# Altium PCB PCB_monitoring_MOTHB.PcbDoc (part 2 of 2)
Units mm, origin at the board's own origin, x right, y up, seen from the top; angles counter-clockwise.
Board outline 185 x 75 mm, 2 copper layers (Top Layer, Bottom Layer), stack 1.571 mm thick; 166 components, 133 nets, 595 pads, 43 vias.
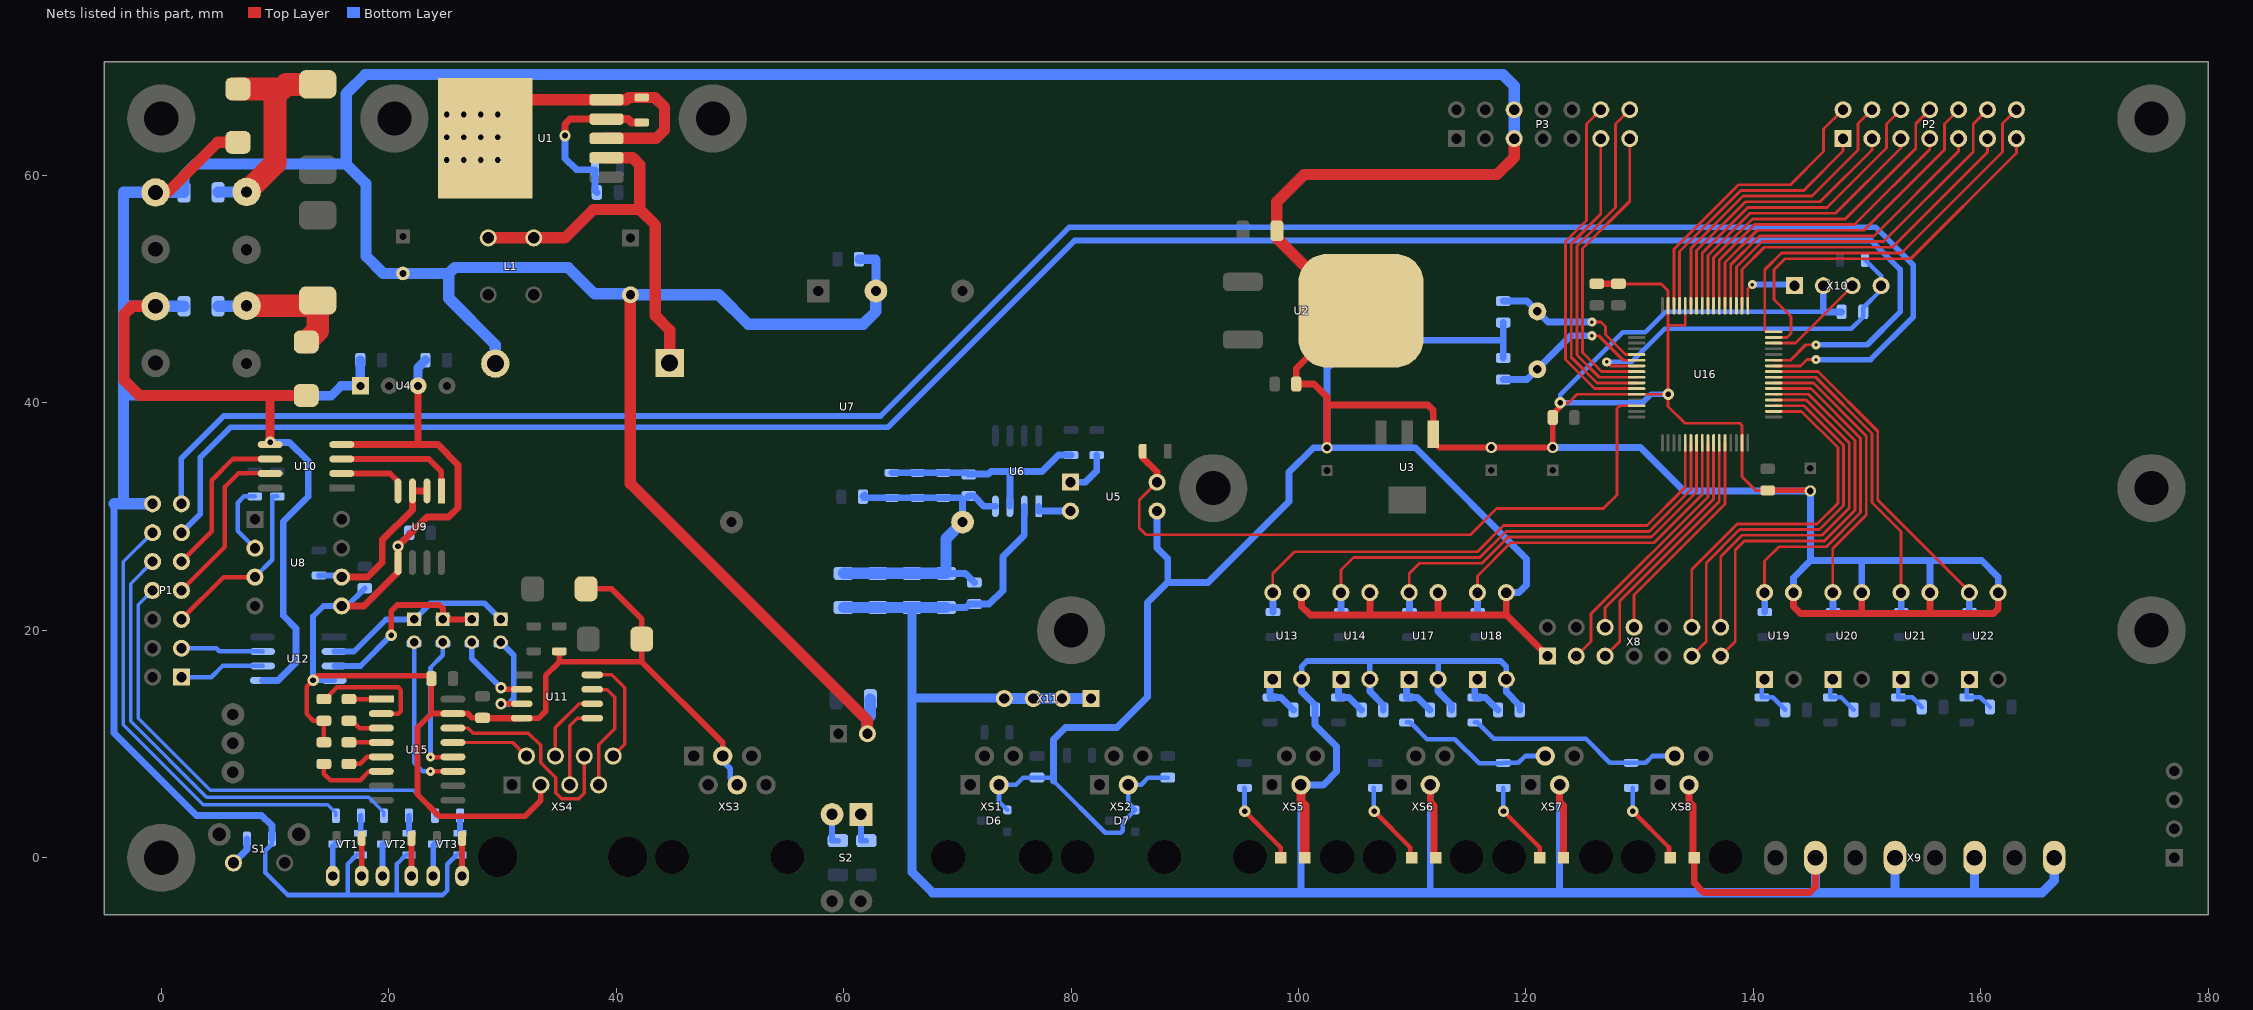
[diagram p2: the nets of this part, all layers, seen from the top]

## Via types
v1: diameter 1, hole 0.5, Top Layer to Bottom Layer, 34 vias
v2: diameter 0.8, hole 0.3, Top Layer to Bottom Layer, 8 vias
v3: diameter 2, hole 1, Top Layer to Bottom Layer, 1 vias

## Nets (pads, with @x,y where several pads share a name; then routed paths per layer and width w, separated by ;. In a path a pad name is that pad's centre, name@x,y a point inside that pad or via, vN(x,y) a via of type N, cw(c..) or ccw(c..) an arc to the next point about the centre after c; other vN are vias at no path point) (continued)
DI3: R36.2 R37.2 XS7.2 | length 13.9
  Bottom Layer w0.4: R36.2@109.5,11.9 109.825,11.9 111.3,10.425 113.75,10.425 115.875,8.3 117.95,8.3 R37.2@118,8.35 119.325,8.35 119.92,8.945 XS7.2@121.69,8.945
DI4: R39.2 R40.2 XS8.2 | length 19.3
  Bottom Layer w0.4: R39.2@115.5,11.9 115.725,11.9 117.175,10.45 125.275,10.45 127.375,8.35 R40.2@129.25,8.35 130.525,8.35 131.12,8.945 XS8.2@133.065,8.945
FA: U11.8 XS4.8 | length 9.7
  Top Layer w0.3: U11.8@37.9,16.08 39.62,16.08 40.75,14.95 40.75,9.965 XS4.8@39.73,8.945
FB\: U11.7 XS4.7 | length 10.6
  Top Layer w0.3: U11.7@37.9,14.81 37.935,14.775 39.2,14.775 39.875,14.1 39.875,11.35 38.46,9.935 XS4.7@38.46,6.405
FY: U11.5 XS4.5 | length 7.4
  Top Layer w0.3: XS4.5@35.92,6.405 35.92,11.595 36.595,12.27 U11.5@37.9,12.27
FZ\: U11.6 XS4.4 | length 6.6
  Top Layer w0.3: XS4.4@34.65,8.945 34.65,11.45 36.74,13.54 U11.6@37.9,13.54
GND: C1.1 C3.2 C4.2 C5.1 C6.1 C7.1 C8.1 C9.2 C10.2 C12.2 C14.1 C17.2 C19.2 C31.1 C32.1 C36.2 C38.2 C39.2 C40.2 C41.2 C42.2 C43.2 D2.1 D4.1 D5.1 D6.1 D7.1 P1.14 P3.5 P3.6 R2.1 R26.2 U1.3 U1.5 U1.6 U2.3 U3.1 U4.1 U5.3 U7.2 U10.5 U12.5 U13.3 U14.3 U16.12 U16.31 U16.60 U16.63 U17.3 U18.3 U19.3 U20.3 U21.3 U22.3 VT1.2 VT2.2 VT3.2 X1.1 X2.1 X8.1 X10.2 X12.2 XS1.3 XS2.3 | length 891
  Top Layer w0.25: v1(123,40) 123.733,40 124.483,40.75 U16.12@129.725,40.75 v1(132.5,40.75) ; C38.2@128.125,50.475 128.15,50.45 131.9,50.45 132.5,49.85 U16.63@132.5,48.525 132.5,46.825 ; U16.60@134,48.525 134,46.825 132.5,46.825 ; C40.2@141.25,32.3 140.2,32.3 139,33.5 U16.31@139,36.475 139,38.012 138.812,38.2 133.975,38.2 132.5,39.675 v1(132.5,40.75) ; C39.2@144.95,32.3 C39.2@145,32.25 ; v1(132.5,40.75) 132.5,46.825
  Top Layer w0.5: U3.1@111.85,37.25 111.85,36.6 112.375,36.075 C9.2@116.95,36.075 C43.2@122.35,36.075 C42.2@122.35,38.7 122.35,39 123,39.65 v1(123,40) ; C40.2@141.25,32.3 C39.2@144.95,32.3
  Top Layer w0.6: 9.55,40.65 9.575,40.625 ; U13.3@100.27,23.31 100.27,22.105 101.035,21.34 106.225,21.34 ; C10.2@102.5,36.05 102.5,39.8 ; U2.3@105.494,48.1 104.875,48.1 99.8,43.025 C8.1@99.8,41.65 101.35,41.65 102.5,40.5 102.5,39.8 ; U14.3@106.27,23.31 106.27,21.385 106.225,21.34 ; U3.1@111.85,37.25 111.85,39.325 111.375,39.8 102.5,39.8 ; U17.3@112.27,23.31 112.27,21.345 112.275,21.34 ; U18.3@118.27,23.31 118.27,21.34 ; X8.1@121.88,17.73 118.27,21.34 ; C41.2@126.225,50.475 C38.2@128.125,50.475 ; U19.3@143.52,23.31 143.52,22.08 144.125,21.475 149.5,21.475 ; U20.3@149.52,23.31 149.52,21.495 149.5,21.475 ; U21.3@155.52,23.31 155.52,21.495 155.5,21.475 ; U22.3@161.52,23.31 161.52,21.87 161.125,21.475 155.5,21.475 ; 106.225,21.34 112.275,21.34 ; 112.275,21.34 118.27,21.34 ; 149.5,21.475 155.5,21.475
  Top Layer w0.8: v1(9.575,36.525) 9.575,40.625
  Top Layer w1: X2.1@-0.5,48.5 -2.55,48.5 -3.275,47.775 -3.275,42 -1.925,40.65 9.55,40.65 D4.1@12.75,40.65 ; X1.1@-0.5,58.5 0.55,58.5 4.95,62.9 D2.1@6.75,62.9 ; U1.6@28.475,63.25 31.875,66.65 U1.5@39.15,66.65 40.9,66.65 41.1,66.85 R2.1@42.25,66.85 43.4,66.85 44.25,66 44.25,64 43.5,63.25 U1.3@39.15,63.25 ; C4.2@41.25,49.5 41.25,32.9 62.09,12.06 X12.2@62.09,10.9 ; U2.3@105.494,48.1 104.475,48.1 98.1,54.475 C7.1@98.1,55.125 98.1,57.675 100.5,60.075 117.45,60.075 118.96,61.585 P3.5@118.96,63.23
  Bottom Layer w0.4: R26.2@9.725,1.65 9.725,1.2 9.15,0.625 9.15,-1.3 11.125,-3.275 16.4,-3.275 ; VT1.2@17.525,0.25 17.2,0.25 16.4,-0.55 16.4,-3.275 ; VT2.2@21.775,0.25 21.525,0.25 20.725,-0.55 20.725,-3.275 ; VT3.2@26.275,0.25 25.975,0.25 25.15,-0.575 25.15,-2.875 24.75,-3.275 20.725,-3.275 ; D6.1@74.395,4.2 73.66,4.935 XS1.3@73.66,6.405 75.155,6.405 75.8,7.05 C17.2@77,7.05 78.15,7.05 78.45,6.75 83,2.2 84.375,2.2 84.55,2.375 84.55,3.105 D7.1@85.645,4.2 85.025,4.82 85.025,6.395 XS2.3@85.035,6.405 86.155,6.405 86.8,7.05 C19.2@88.5,7.05 ; v1(123,40) 123,40.702 128.498,46.2 130.5,46.2 132.3,48 146.14,48 ; 16.4,-3.275 20.725,-3.275
  Bottom Layer w0.5: v1(123,40) 130.25,40 131,40.75 v1(132.5,40.75)
  Bottom Layer w0.6: -4.15,31.12 -4.15,10.975 3.1,3.725 8.825,3.725 9.725,2.825 R26.2@9.725,1.65 ; U12.5@8.9,15.595 10.27,15.595 11.85,17.175 11.85,20.175 10.725,21.3 10.725,29.55 12.925,31.75 12.925,34.875 11.275,36.525 v1(9.575,36.525) ; 78.45,6.75 78.45,10.4 79.5,11.45 84.05,11.45 86.725,14.125 86.725,22.431 88.494,24.2 ; U5.3@87.56,30.48 87.56,27.24 88.494,26.306 88.494,24.2 ; C32.1@118,43.95 118,45.5 ; C31.1@118,47.05 118,45.5 ; U18.3@118.27,23.31 119.385,23.31 120.05,23.975 120.05,26.275 110.275,36.05 C10.2@102.5,36.05 ; C43.2@122.35,36.075 130.05,36.075 133.875,32.25 C39.2@145,32.25 145.025,32.225 145.025,26.125 ; U19.3@143.52,23.31 143.52,24.62 145.025,26.125 ; X10.2@146.14,50.3 146.14,48 C36.2@147.75,48 ; U20.3@149.52,23.31 149.52,26.12 149.525,26.125 ; U21.3@155.52,23.31 155.52,26.12 155.525,26.125 ; U22.3@161.52,23.31 161.52,24.68 160.075,26.125 155.525,26.125 ; 88.494,24.2 92.05,24.2 99.175,31.325 99.175,33.925 101.3,36.05 C10.2@102.5,36.05 ; C10.2@102.5,36.05 102.5,43 105,45.5 118,45.5 ; 145.025,26.125 149.525,26.125 ; 149.525,26.125 155.525,26.125
  Bottom Layer w0.8: -3.325,40.625 14.937,40.625 15.812,41.5 U4.1@17.5,41.5 C12.2@17.5,43.75 ; C14.1@61.35,52.625 62.787,52.625 62.84,52.572 U7.2@62.84,49.835
  Bottom Layer w1: -4.15,31.12 P1.14@-0.77,31.12 ; -3.325,31.12 -3.325,40.625 -3.325,48.5 ; C6.1@2,48.5 X2.1@-0.5,48.5 -3.325,48.5 ; D5.1@29.38,43.45 29.38,45.095 25.275,49.2 25.275,51.375 ; C4.2@41.175,49.575 38.1,49.575 35.775,51.9 25.8,51.9 25.275,51.375 ; C4.2@41.25,49.5 49.025,49.5 51.6,46.925 61.725,46.925 62.84,48.04 U7.2@62.84,49.835 ; X12.2@62.09,10.9 62.09,12.215 62.35,12.475 C5.1@62.35,13.925 ; P3.5@118.96,63.23 P3.6@118.96,65.77 118.96,67.865 117.95,68.875 17.95,68.875 16.25,67.175 16.25,61 ; -3.325,48.5 -3.325,58.5 X1.1@-0.5,58.5 2,58.5 2,59.988 3.012,61 16.25,61 ; 16.25,61 18,59.25 18,52.9 19.525,51.375 C3.2@21.25,51.375 25.275,51.375
  other v1: 25.1,61.35 26.6,61.35 28.1,61.35 29.6,61.35 25.1,63.35 26.6,63.35 28.1,63.35 29.6,63.35 25.1,65.35 26.6,65.35 28.1,65.35 29.6,65.35
GND_BUS: C11.2 C18.2 C20.1 C22.1 C25.1 C28.1 C29.1 D8.1 D9.2 R16.2 U4.3 U8.5 U9.5 U10.4 U11.4 U12.4 U15.15 XS3.3 XS3.4 XS4.3 | length 141.6
  Top Layer w0.4: v1(13.35,15.595) 12.775,15.02 12.775,12.65 13.375,12.05 C25.1@14.3,12.05 C29.1@14.3,10.15
  Top Layer w0.5: v1(13.35,15.595) 13.755,16 23.5,16 C28.1@23.75,15.75 23.75,12.675 ; C22.1@28.25,12.3 27.325,12.3 26.95,12.675 U15.15@25.65,12.675 23.75,12.675 ; U11.4@31.7,12.27 31.705,12.275 33.2,12.275 33.8,12.875 33.8,16.025 35,17.225 ; XS4.3@33.38,6.405 33.38,5.055 31.975,3.65 24.45,3.65 22.525,5.575 22.525,11.45 23.75,12.675 ; R16.2@35,18.15 35,17.225 ; D8.1@37.35,23.65 39.6,23.65 42.25,21 D9.2@42.25,19.225 42.25,17.225 ; XS3.3@49.365,8.945 49.365,10.11 42.25,17.225 ; 35,17.225 42.25,17.225
  Top Layer w0.6: U8.5@15.86,22.14 17.84,22.14 20.82,25.12 U9.5@20.82,25.95 v1(20.82,27.395) 23.375,29.95 25.275,29.95 26.1,30.775 26.1,34.55 24.32,36.33 22.58,36.33 ; U10.4@15.875,36.33 22.58,36.33 ; U4.3@22.58,41.5 22.58,36.33 ; C22.1@28.25,12.3 28.28,12.27 U11.4@31.7,12.27
  Bottom Layer w0.5: U12.4@15.2,15.595 v1(13.35,15.595) 13.35,21.225 14.265,22.14 U8.5@15.86,22.14 16.34,22.14 C18.2@17.9,23.7 ; XS3.3@49.365,8.945 49.365,8.51 50.025,7.85 50.025,7.015 XS3.4@50.635,6.405
  Bottom Layer w0.6: v1(20.82,27.395) 21.8,28.375 C20.1@21.8,28.575
  Bottom Layer w0.8: U4.3@22.58,41.5 22.58,43.105 C11.2@23.225,43.75
GND_EXT: C15.2 C21.2 C23.2 C27.2 C30.2 DS4.2 DS5.2 DS6.2 DS7.2 R6.2 R7.2 R11.2 R12.2 U6.2 U13.2 U14.2 U17.2 U18.2 X9.2 X9.4 X9.6 X9.8 X11.1 X11.2 X11.3 X11.4 XS5.3 XS6.3 XS7.3 XS8.3 | length 291.6
  Top Layer w0.6: XS6.3@111.585,6.405 111.585,4.94 111.925,4.6 DS5.2@111.925,0 ; XS7.3@122.96,6.405 122.96,4.94 123.3,4.6 DS6.2@123.3,0 ; XS8.3@134.335,6.405 134.335,4.94 134.675,4.6 DS7.2@134.675,0 ; DS7.2@134.8,0 134.8,-2.225 135.625,-3.05 144.95,-3.05 145.45,-2.55 X9.2@145.45,0
  Top Layer w0.8: XS5.3@100.21,6.405 100.21,4.94 100.55,4.6 DS4.2@100.55,0 ; DS5.2@112.025,-0.025 DS5.2@112.05,0
  Bottom Layer w0.5: U13.2@100.27,15.69 100.27,16.82 100.75,17.3 106.275,17.3 ; U14.2@106.27,15.69 106.275,15.695 106.275,17.3 ; U17.2@112.27,15.69 112.275,15.695 112.275,17.3 ; U18.2@118.27,15.69 118.27,16.805 117.775,17.3 112.275,17.3 ; 106.275,17.3 112.275,17.3
  Bottom Layer w0.6: R12.2@69,22 70.75,22 71.05,22.3 C15.2@71.5,22.3 72.8,22.3 74,23.5 74,26.5 75.885,28.385 U6.2@75.885,30.9 ; 100.21,-3.06 XS5.3@100.21,6.405 102.18,6.405 103.35,7.575 103.35,9.775 101.45,11.675 C21.2@101.45,13 101.45,13.45 100.27,14.63 U13.2@100.27,15.69 ; U14.2@106.27,15.69 106.27,14.63 107.45,13.45 C23.2@107.45,13 ; 111.585,-3.06 XS6.3@111.585,6.405 ; U17.2@112.27,15.69 112.27,14.605 113.45,13.425 C27.2@113.45,13 ; U18.2@118.27,15.69 118.27,14.58 119.45,13.4 C30.2@119.45,13 ; 122.96,-3.06 XS7.3@122.96,6.405
  Bottom Layer w0.8: R11.2@66,22 66,14.05 ; X11.4@74.08,14.05 66,14.05 ; X11.1@81.75,14 X11.1@81.775,13.975 ; 145.45,-3.05 X9.2@145.45,0 ; 152.45,-3.05 X9.4@152.45,0 ; X9.6@159.45,0 159.45,-3.05 159.475,-3.075 ; X9.8@166.45,0 166.45,-2 165.375,-3.075 159.475,-3.075 ; 66,14.05 66,-1.25 67.825,-3.075 159.475,-3.075
  Bottom Layer w1: R6.2@60,22 R7.2@63,22 R11.2@66,22 R12.2@69,22 ; X11.4@74.13,14 X11.3@76.67,14 X11.2@79.21,14 X11.1@81.75,14
GND_OD: C13.1 C15.1 C16.1 R6.1 R7.1 R8.1 R9.1 R10.1 R11.1 R12.1 U6.4 U7.4 | length 31
  Bottom Layer w0.6: C16.1@61.85,31.9 C16.1@61.7,31.75 61.8,31.65 R8.1@64.25,31.65 R9.1@66.5,31.65 R10.1@68.75,31.65 70.35,31.65 70.46,31.54 U7.4@70.46,29.515 ; R12.1@69,25 70.7,25 C15.1@71.5,24.2 ; C13.1@70.85,31.65 C13.1@71,31.8 71.45,31.8 72.35,30.9 U6.4@73.345,30.9
  Bottom Layer w1: R6.1@60,25 R7.1@63,25 R11.1@66,25 R12.1@69,25 69,28.055 U7.4@70.46,29.515
IN_D1: R29.2 U13.4 U16.21 | length 46.7
  Top Layer w0.25: U13.4@97.73,23.31 97.73,24.98 99.65,26.9 115.729,26.9 118.029,29.2 130.629,29.2 134,32.571 U16.21@134,36.475
  Bottom Layer w0.6: U13.4@97.73,23.31 97.75,23.29 R29.2@97.75,21.6
IN_D2: R32.2 U14.4 U16.22 | length 41.5
  Top Layer w0.25: U14.4@103.73,23.31 103.73,25.305 104.825,26.4 115.936,26.4 118.236,28.7 130.836,28.7 134.5,32.364 U16.22@134.5,36.475
  Bottom Layer w0.6: R32.2@103.73,21.62 U14.4@103.73,23.31
IN_D3: R35.2 U16.23 U17.4 | length 35.9
  Top Layer w0.25: U17.4@109.73,23.31 109.73,25.005 110.625,25.9 116.143,25.9 118.443,28.2 131.043,28.2 135,32.157 U16.23@135,36.475
  Bottom Layer w0.6: R35.2@109.75,21.6 U17.4@109.75,23.29
IN_D4: R38.2 U16.24 U18.4 | length 30.4
  Top Layer w0.25: U18.4@115.73,23.31 115.73,24.78 118.65,27.7 131.25,27.7 135.5,31.95 U16.24@135.5,36.475
  Bottom Layer w0.6: R38.2@115.75,21.6 U18.4@115.75,23.29
IN_D5: U16.25 X8.2 | length 23.5
  Top Layer w0.25: X8.2@124.42,17.73 124.43,17.73 125.725,19.025 125.725,21.45 136,31.725 U16.25@136,36.475
IN_D6: U16.26 X8.12 | length 20.2
  Top Layer w0.25: X8.12@126.96,20.27 126.96,21.978 136.5,31.518 U16.26@136.5,36.475
IN_D7: U16.27 X8.3 | length 22.9
  Top Layer w0.25: X8.3@126.96,17.73 128.25,19.02 128.25,22.561 137,31.311 U16.27@137,36.475
IN_D8: U16.28 X8.11 | length 19.5
  Top Layer w0.25: X8.11@129.5,20.27 129.5,23.104 137.5,31.104 U16.28@137.5,36.475
ISR1: U16.34 X8.9 | length 32.2
  Top Layer w0.25: X8.9@134.58,20.27 134.58,25.355 138.575,29.35 145.6,29.35 147.425,31.175 147.425,36.057 144.232,39.25 U16.34@141.775,39.25
ISR2: U16.35 X8.6 | length 35.8
  Top Layer w0.25: X8.6@134.58,17.73 135.85,19 135.85,25.918 138.782,28.85 145.807,28.85 147.925,30.968 147.925,36.264 144.439,39.75 U16.35@141.775,39.75
ISR3: U16.36 X8.8 | length 33.2
  Top Layer w0.25: X8.8@137.12,20.27 137.12,26.481 138.989,28.35 146.014,28.35 148.425,30.761 148.425,36.471 144.646,40.25 U16.36@141.775,40.25
ISR4: U16.37 X8.7 | length 36.8
  Top Layer w0.25: X8.7@137.12,17.73 138.4,19.01 138.4,27.054 139.196,27.85 146.221,27.85 148.925,30.554 148.925,36.678 144.853,40.75 U16.37@141.775,40.75
ISR5: R41.2 U16.38 U19.4 | length 30.7
  Top Layer w0.25: U19.4@140.98,23.31 140.98,26.08 142.25,27.35 146.428,27.35 149.425,30.347 149.425,36.886 145.061,41.25 U16.38@141.775,41.25
  Bottom Layer w0.6: U19.4@140.98,23.31 141,23.29 R41.2@141,21.6
ISR6: R43.2 U16.39 U20.4 | length 26.8
  Top Layer w0.25: U16.39@141.775,41.75 145.268,41.75 149.925,37.093 149.925,30.139 146.98,27.194 U20.4@146.98,23.31
  Bottom Layer w0.6: U20.4@146.98,23.31 147,23.29 R43.2@147,21.6
ISR7: R45.2 U16.40 U21.4 | length 27.5
  Top Layer w0.25: U16.40@141.775,42.25 145.475,42.25 150.425,37.3 150.425,31.25 152.98,28.695 U21.4@152.98,23.31
  Bottom Layer w0.6: U21.4@152.98,23.31 153,23.29 R45.2@153,21.6
ISR8: R48.2 U16.41 U22.4 | length 30.6
  Top Layer w0.25: U16.41@141.775,42.75 145.682,42.75 150.925,37.507 150.925,31.457 158.98,23.402 U22.4@158.98,23.31
  Bottom Layer w0.6: U22.4@158.98,23.31 158.98,21.62 R48.2@159,21.6
LED1_RED: P1.12 R13.2 | length 40.1
  Bottom Layer w0.3: P1.12@-0.77,28.58 -3.325,26.025 -3.325,11.7 3.7,4.675 14.65,4.675 15.35,3.975 R13.2@15.35,3.7
LED2_ORANGE: P1.10 R19.2 | length 40.7
  Bottom Layer w0.3: P1.10@-0.77,26.04 -2.7,24.11 -2.7,12 3.975,5.325 18.25,5.325 19.575,4 R19.2@19.575,3.7
LED3_GREEN: P1.8 R23.2 | length 41.6
  Bottom Layer w0.3: P1.8@-0.77,23.5 -2.025,22.245 -2.025,12.275 4.325,5.925 22.15,5.925 24.075,4 R23.2@24.075,3.7
NetC1_2: C1.2 D1.1 D2.2 F1.1 | length 19.8
  Top Layer w2: D2.2@6.75,67.6 10.6,67.6 11,68 D1.1@13.75,68 ; F1.1@7.5,58.54 10,61.04 10,67.6
  Bottom Layer w1: C1.2@5,58.5 5.04,58.54 F1.1@7.5,58.54
NetC2_2: C2.2 R1.1 R2.2 U1.4 | length 15.2
  Top Layer w0.6: v1(35.5,63.5) 35.5,64.5 35.95,64.95 U1.4@39.15,64.95
  Top Layer w0.7: U1.4@39.15,64.95 41.05,64.95 41.35,64.65 R2.2@42.25,64.65
  Bottom Layer w0.6: v1(35.5,63.5) 35.5,61.5 36.5,60.5 R1.1@38.15,60.5 38.15,58.65 C2.2@38.3,58.5
NetC6_2: C6.2 D3.1 D4.2 F2.1 | length 13
  Top Layer w2: F2.1@7.5,48.54 13.29,48.54 D3.1@13.75,49 13.75,46.35 D4.2@12.75,45.35
  Bottom Layer w1: C6.2@5,48.5 7.46,48.5 F2.1@7.5,48.54
NetC13_2: C13.2 R5.1 R8.2 R9.2 R10.2 U6.3 | length 19.5
  Bottom Layer w0.6: R8.2@64.25,33.85 R9.2@66.5,33.85 R10.2@68.75,33.85 70.85,33.85 70.95,33.75 72.75,33.75 72.95,33.95 74.615,33.95 ; U6.3@74.615,30.9 74.615,33.95 ; R5.1@80,35.4 78.9,35.4 77.45,33.95 74.615,33.95
NetC21_1: C21.1 R30.1 U13.1 | length 4.2
  Bottom Layer w0.6: U13.1@97.73,15.69 97.5,15.46 R30.1@97.5,14.1 98.45,14.1 C21.1@99.55,13
NetC23_1: C23.1 R33.1 U14.1 | length 4.2
  Bottom Layer w0.6: U14.1@103.73,15.69 103.5,15.46 R33.1@103.5,14.1 104.45,14.1 C23.1@105.55,13
NetC24_1: C24.1 U15.1 | length 2.9
  Top Layer w0.4: C24.1@16.5,13.95 16.505,13.945 U15.1@19.35,13.945
NetC24_2: C24.2 U15.3 | length 3.1
  Top Layer w0.4: C24.2@16.5,12.05 16.75,12.05 17.395,11.405 U15.3@19.35,11.405
NetC25_2: C25.2 U15.2 | length 10.9
  Top Layer w0.4: C25.2@14.3,13.95 14.425,13.95 15.45,14.975 20.825,14.975 21.075,14.725 21.075,12.9 20.85,12.675 U15.2@19.35,12.675
NetC26_1: C26.1 U15.4 | length 2.9
  Top Layer w0.4: C26.1@16.5,10.15 16.515,10.135 U15.4@19.35,10.135
NetC26_2: C26.2 U15.5 | length 3.1
  Top Layer w0.4: C26.2@16.5,8.25 17.5,8.25 18.115,8.865 U15.5@19.35,8.865
NetC27_1: C27.1 R36.1 U17.1 | length 4.2
  Bottom Layer w0.6: U17.1@109.73,15.69 109.5,15.46 R36.1@109.5,14.1 110.45,14.1 C27.1@111.55,13
NetC29_2: C29.2 U15.6 | length 6.5
  Top Layer w0.4: C29.2@14.3,8.25 14.3,7.4 14.875,6.825 17.5,6.825 18.27,7.595 U15.6@19.35,7.595
NetC30_1: C30.1 R39.1 U18.1 | length 4.2
  Bottom Layer w0.6: U18.1@115.73,15.69 115.5,15.46 R39.1@115.5,14.1 116.45,14.1 C30.1@117.55,13
NetC31_2: C31.2 U16.5 ZQ1.2 | length 14.1
  Top Layer w0.25: v2(125.8,47.1) 126.6,47.1 127,46.7 127,46.007 128.757,44.25 U16.5@129.725,44.25
  Bottom Layer w0.6: C31.2@118,48.95 120.09,48.95 ZQ1.2@121,48.04 121.94,47.1 v2(125.8,47.1)
NetC32_2: C32.2 U16.6 ZQ1.1 | length 14.2
  Top Layer w0.25: v2(125.8,45.9) 126.4,45.9 128.55,43.75 U16.6@129.725,43.75
  Bottom Layer w0.6: C32.2@118,42.05 120.09,42.05 ZQ1.1@121,42.96 123.94,45.9 v2(125.8,45.9)
NetC33_1: C33.1 R42.1 U19.1 | length 4.2
  Bottom Layer w0.4: U19.1@140.98,15.69 140.75,15.46 R42.1@140.75,14.1 141.7,14.1 C33.1@142.8,13
NetC34_1: C34.1 R44.1 U20.1 | length 4.2
  Bottom Layer w0.4: U20.1@146.98,15.69 146.75,15.46 R44.1@146.75,14.1 147.7,14.1 C34.1@148.8,13
NetC35_1: C35.1 R47.1 U21.1 | length 4.1
  Bottom Layer w0.4: U21.1@152.98,15.69 152.75,15.46 R47.1@152.75,14.1 153.95,14.1 C35.1@154.8,13.25
NetC37_1: C37.1 R49.1 U22.1 | length 4.1
  Bottom Layer w0.4: U22.1@158.98,15.69 158.75,15.46 R49.1@158.75,14.1 159.95,14.1 C37.1@160.8,13.25
NetD5_2: D5.2 L1.2 U1.2 | length 36.1
  Top Layer w1: L1.2@28.75,54.5 L1.2@32.75,54.5 35.5,54.5 38,57 42.075,57 ; U1.2@39.15,61.55 41.45,61.55 42.075,60.925 42.075,57 ; D5.2@44.7,43.5 44.7,46.4 43.45,47.65 43.45,55.625 42.075,57
NetDS1_1: DS1.1 R14.2 | length 3.3
  Top Layer w0.5: DS1.1@17.62,-1.6 17.625,-1.595 R14.2@17.625,1.7
NetDS1_2: DS1.2 VT1.3 | length 2.9
  Bottom Layer w0.5: DS1.2@15.08,-1.6 15.08,1.005 VT1.3@15.275,1.2
NetDS2_1: DS2.1 R22.2 | length 3.3
  Top Layer w0.5: DS2.1@21.995,-1.6 22,-1.595 R22.2@22,1.7
NetDS2_2: DS2.2 VT2.3 | length 2.8
  Bottom Layer w0.5: DS2.2@19.455,-1.6 19.455,1.13 VT2.3@19.525,1.2
NetDS3_1: DS3.1 R24.2 | length 3.3
  Top Layer w0.5: DS3.1@26.445,-1.6 26.45,-1.595 R24.2@26.45,1.7
NetDS3_2: DS3.2 VT3.3 | length 2.8
  Bottom Layer w0.5: DS3.2@23.905,-1.6 23.905,1.08 VT3.3@24.025,1.2
NetDS4_1: DS4.1 R31.1 | length 7.5
  Top Layer w0.4: v1(95.275,4.075) 98.45,0.9 DS4.1@98.45,0
  Bottom Layer w0.4: R31.1@95.25,6.15 95.25,4.1 v1(95.275,4.075)
NetDS5_1: DS5.1 R34.1 | length 7.4
  Top Layer w0.4: v1(106.65,4.075) 109.825,0.9 DS5.1@109.825,0
  Bottom Layer w0.4: v1@106.625,4.1 R34.1@106.625,6.15
NetDS6_1: DS6.1 R37.1 | length 7.4
  Top Layer w0.4: v1(118.025,4.075) 121.2,0.9 DS6.1@121.2,0
  Bottom Layer w0.4: v1@118,4.1 R37.1@118,6.15
NetDS7_1: DS7.1 R40.1 | length 7.4
  Top Layer w0.4: v1(129.4,4.075) 132.575,0.9 DS7.1@132.575,0
  Bottom Layer w0.4: v1@129.375,4.1 R40.1@129.375,6.15
NetR3_2: R3.2 U5.1 | length 4.1
  Bottom Layer w0.6: U5.1@79.94,33.02 81.27,33.02 82.25,34 R3.2@82.25,35.4
NetR13_1: R13.1 VT1.1 | length 1.6
  Bottom Layer w0.5: VT1.1@17.525,2.15 17.55,2.175 R13.1@17.55,3.7
NetR15_1: R15.1 U8.2 | length 6.4
  Bottom Layer w0.4: R15.1@8.225,31.775 7.275,31.775 6.725,31.225 6.725,28.735 U8.2@8.24,27.22
NetR19_1: R19.1 VT2.1 | length 1.6
  Bottom Layer w0.5: VT2.1@21.775,2.15 R19.1@21.775,3.7
NetR20_1: R20.1 U8.6 U9.2 U9.3 | length 14.8
  Top Layer w0.6: U8.6@15.86,24.68 18.155,24.68 19.425,25.95 19.425,27.925 22.09,30.59 U9.3@22.09,32.25 U9.2@23.36,32.25
  Bottom Layer w0.5: R20.1@13.875,24.825 15.715,24.825 U8.6@15.86,24.68
NetR23_1: R23.1 VT3.1 | length 1.5
  Bottom Layer w0.5: VT3.1@26.275,2.15 R23.1@26.275,3.7
NetR26_1: R26.1 S1.1 | length 2.6
  Bottom Layer w0.6: S1.1@6.35,-0.45 7.525,0.725 R26.1@7.525,1.65
NetR27_2: R27.2 S2.1 | length 2.8
  Bottom Layer w0.5: S2.1@61.52,3.81 61.52,1.5 R27.2@62,1.5
NetR28_2: R28.2 S2.2 | length 2.8
  Bottom Layer w0.5: S2.2@58.98,3.81 58.98,1.5 R28.2@59.5,1.5
NetR52_1: R52.1 U15.11 X6.2 | length 14.3
  Top Layer w0.4: v2(23.675,7.6) 25.645,7.6 U15.11@25.65,7.595
  Bottom Layer w0.4: X6.2@22.225,18.955 22.225,8.35 22.975,7.6 v2(23.675,7.6)
NetR53_1: R53.1 U15.12 X7.2 | length 12.5
  Top Layer w0.4: v2(23.675,8.85) 25.635,8.85 U15.12@25.65,8.865
  Bottom Layer w0.4: v2(23.675,8.85) 23.675,16.725 24.765,17.815 X7.2@24.765,18.955
NetU5_2: U5.2 U6.1 | length 3.2
  Bottom Layer w0.6: U6.1@77.155,30.9 77.155,30.48 U5.2@79.94,30.48
NetU9_1: U9.1 U10.3 | length 10.9
  Top Layer w0.5: U10.3@15.875,35.06 23.515,35.06 24.63,33.945 U9.1@24.63,32.25
NetU9_4: U9.4 U10.2 | length 6.1
  Top Layer w0.5: U10.2@15.875,33.79 20.11,33.79 20.82,33.08 U9.4@20.82,32.25
NRST: C36.1 R46.2 U16.7 X10.4 | length 33.2
  Top Layer w0.25: v2(127.1,43.6) 127.45,43.25 U16.7@129.725,43.25
  Bottom Layer w0.4: v2(127.1,43.6) 129.3,43.6 132.2,46.5 148.6,46.5 149.65,47.55 C36.1@149.65,48 149.65,48.35 151.22,49.92 X10.4@151.22,50.3 151.22,51.18 R46.2@149.8,52.6
OD: R4.1 U5.4 U16.14 | length 61
  Top Layer w0.25: U5.4@87.56,33.02 86,31.46 86,29 86.6,28.4 115.107,28.4 117.407,30.7 126.8,30.7 128,31.9 128,39.5 128.25,39.75 U16.14@129.725,39.75
  Top Layer w0.6: R4.1@86.3,35.75 86.3,35.2 87.56,33.94 U5.4@87.56,33.02
OPR1: P3.13 U16.8 | length 26
  Top Layer w0.25: P3.13@129.12,63.23 129.12,57.72 124.975,53.575 124.975,44.425 126.65,42.75 U16.8@129.725,42.75
OPR2: P3.14 U16.9 | length 29.5
  Top Layer w0.25: P3.14@129.12,65.77 127.875,64.525 127.875,57.182 124.475,53.782 124.475,44.218 126.443,42.25 U16.9@129.725,42.25
OPR3: P3.11 U16.10 | length 27
  Top Layer w0.25: P3.11@126.58,63.23 126.58,56.594 123.975,53.989 123.975,44.011 126.236,41.75 U16.10@129.725,41.75
OPR4: P3.12 U16.11 | length 30.6
  Top Layer w0.25: P3.12@126.58,65.77 125.325,64.515 125.325,56.046 123.475,54.196 123.475,43.804 126.029,41.25 U16.11@129.725,41.25
OSR1: P2.13 U16.47 | length 34.7
  Top Layer w0.25: U16.47@141.775,45.75 142.95,45.75 143.3,46.1 143.3,47.6 141.8,49.1 141.8,51.7 142.775,52.675 153.825,52.675 163.12,61.97 P2.13@163.12,63.23
OSR2: P2.14 U16.48 | length 35.5
  Top Layer w0.25: U16.48@141.775,46.25 141.15,46.25 141,46.4 141,51.7 142.475,53.175 153.025,53.175 161.9,62.05 161.9,64.55 P2.14@163.12,65.77
OSR3: P2.11 U16.50 | length 30.2
  Top Layer w0.25: U16.50@139,48.525 139,51.725 140.95,53.675 152.225,53.675 160.58,62.03 P2.11@160.58,63.23
OSR4: P2.12 U16.51 | length 32.7
  Top Layer w0.25: U16.51@138.5,48.525 138.5,51.932 140.743,54.175 151.45,54.175 159.325,62.05 159.325,64.515 P2.12@160.58,65.77
OSR5: P2.9 U16.52 | length 28.9
  Top Layer w0.25: U16.52@138,48.525 138,52.139 140.536,54.675 150.6,54.675 158.04,62.115 P2.9@158.04,63.23
OSR6: P2.10 U16.53 | length 31.3
  Top Layer w0.25: U16.53@137.5,48.525 137.5,52.346 140.329,55.175 149.725,55.175 156.8,62.25 156.8,64.53 P2.10@158.04,65.77
OSR7: P2.7 U16.54 | length 27.5
  Top Layer w0.25: U16.54@137,48.525 137,52.553 140.122,55.675 148.9,55.675 155.5,62.275 P2.7@155.5,63.23
OSR8: P2.8 U16.55 | length 29.9
  Top Layer w0.25: U16.55@136.5,48.525 136.5,52.761 139.914,56.175 148.075,56.175 154.275,62.375 154.275,64.545 P2.8@155.5,65.77
OSR9: P2.5 U16.56 | length 26.1
  Top Layer w0.25: U16.56@136,48.525 136,52.968 139.707,56.675 147.225,56.675 152.96,62.41 P2.5@152.96,63.23
OSR10: P2.6 U16.57 | length 28.6
  Top Layer w0.25: U16.57@135.5,48.525 135.5,53.175 139.5,57.175 146.475,57.175 151.7,62.4 151.7,64.51 P2.6@152.96,65.77
OSR11: P2.3 U16.58 | length 24.9
  Top Layer w0.25: U16.58@135,48.525 135,53.382 139.293,57.675 145.85,57.675 150.42,62.245 P2.3@150.42,63.23
OSR12: P2.4 U16.59 | length 27.4
  Top Layer w0.25: U16.59@134.5,48.525 134.5,53.589 139.086,58.175 145.15,58.175 149.2,62.225 149.2,64.55 P2.4@150.42,65.77
OSR13: P2.1 U16.61 | length 23.9
  Top Layer w0.25: U16.61@133.5,48.525 133.5,53.296 138.879,58.675 144.425,58.675 147.88,62.13 P2.1@147.88,63.23
OSR14: P2.2 U16.62 | length 26.1
  Top Layer w0.25: U16.62@133,48.525 133,53.503 138.672,59.175 143.25,59.175 146.175,62.1 146.175,64.065 P2.2@147.88,65.77
RX6: R50.2 R53.2 U12.3 X4.1 X7.1 | length 16.7
  Top Layer w0.5: v1(20.225,19.575) 20.225,21.7 20.75,22.225 24.45,22.225 24.765,21.91 X7.1@24.765,20.955 X4.1@27.305,20.955
  Bottom Layer w0.5: U12.3@15.2,16.865 17.515,16.865 v1(20.225,19.575)
RX6.: R50.1 U11.2 X4.2 | length 7
  Top Layer w0.5: v1(29.875,14.95) 30.015,14.81 U11.2@31.7,14.81
  Bottom Layer w0.5: X4.2@27.305,18.955 27.305,17.52 v1(29.875,14.95)
RX232: U15.13 XS4.2 | length 7
  Top Layer w0.3: U15.13@25.65,10.135 30.92,10.135 XS4.2@32.11,8.945
SWCLK: U16.49 X10.1 | length 5.8
  Top Layer w0.25: U16.49@139.5,48.525 139.5,50 v2(139.9,50.4)
  Bottom Layer w0.5: v2(139.9,50.4) 143.5,50.4 X10.1@143.6,50.3
SWDIO: U16.46 X10.3 | length 9
  Top Layer w0.25: U16.46@141.775,45.25 143.707,45.25 148.68,50.223 X10.3@148.68,50.3
TX6: R51.2 R52.2 U12.2 X5.1 X6.1 | length 17
  Bottom Layer w0.5: U12.2@15.2,18.135 16.935,18.135 19.755,20.955 X6.1@22.225,20.955 22.255,20.955 23.675,22.375 28.425,22.375 X5.1@29.845,20.955
TX6.: R51.1 U11.3 X5.2 | length 8.6
  Top Layer w0.5: v1(29.875,13.525) 29.89,13.54 U11.3@31.7,13.54
  Bottom Layer w0.5: X5.2@29.845,18.955 31,17.8 31,13.975 30.55,13.525 v1(29.875,13.525)
TX232: U15.14 XS4.6 | length 19.3
  Top Layer w0.3: U15.14@25.65,11.405 26.97,11.405 27.425,10.95 32.275,10.95 33.35,9.875 33.35,8.35 34.675,7.025 34.675,5.725 35.225,5.175 36.7,5.175 37.2,5.675 37.2,8.935 XS4.6@37.19,8.945
USART2_DE: P1.5 R21.1 U8.3 | length 16.2
  Top Layer w0.4: P1.5@1.77,20.96 5.49,24.68 U8.3@8.24,24.68
  Bottom Layer w0.4: U8.3@8.24,24.68 9.75,26.19 9.75,31.775 R21.1@10.2,31.775
USART2_RX: P1.9 U10.6 | length 14.2
  Top Layer w0.4: P1.9@1.77,26.04 4.425,28.695 4.425,33.2 6.285,35.06 U10.6@9.575,35.06
USART2_TX: P1.7 U10.7 | length 15.2
  Top Layer w0.4: P1.7@1.77,23.5 5.6,27.33 5.6,32.625 6.765,33.79 U10.7@9.575,33.79
USART5_RX: P1.13 U16.42 | length 184.7
  Top Layer w0.25: U16.42@141.775,43.25 144.15,43.25 144.7,43.8 v2(145.5,43.8)
  Bottom Layer w0.5: P1.13@1.77,31.12 1.77,35.12 5.5,38.85 63.25,38.85 79.85,55.45 150.725,55.45 154.05,52.125 154.05,47.55 150.3,43.8 v2(145.5,43.8)
USART5_TX: P1.11 U16.43 | length 182.3
  Top Layer w0.25: U16.43@141.775,43.75 143.25,43.75 144.6,45.1 v2(145.5,45.1)
  Bottom Layer w0.5: P1.11@1.77,28.58 3.425,30.235 3.425,35.2 6.075,37.85 63.9,37.85 80.325,54.275 150.35,54.275 152.9,51.725 152.9,48 150,45.1 v2(145.5,45.1)
USART6_RX: P1.1 U12.6 | length 7.5
  Bottom Layer w0.4: P1.1@1.77,15.88 4.405,15.88 5.39,16.865 U12.6@8.9,16.865
USART6_TX: P1.3 U12.7 | length 7.2
  Bottom Layer w0.4: P1.3@1.77,18.42 4.83,18.42 5.1,18.15 8.885,18.15 U12.7@8.9,18.135
pads on no net: P3.3 P3.4 P3.7 P3.8 P3.9 P3.10 S1.0 U6.5 U6.6 U6.7 U7.5 U8.1 U8.4 U15.7 U15.8 U15.9 U15.10 U16.2 U16.3 U16.4 U16.15 U16.16 U16.17 U16.20 U16.44 U16.45 XS1.0 XS1.1 XS2.0 XS2.1 XS3.0 XS4.0 XS4.1 XS5.0 XS5.4 XS6.0 XS6.4 XS7.0 XS7.4 XS8.0 XS8.4

## Polygon pours and split planes (outlines as drawn)
GND on Top Layer "MCU_gnd" (hatched 90Degree grid 0.3 track 0.3, pour order 0): 131.25,47 140,47 140.25,47 140.25,38 131.25,38
GND_EXT on Top Layer "ext_gnd" (hatched 90Degree grid 0.3 track 0.3, pour order 4): 69.195,0.055 76.855,0.055 88.23,0.055 92.075,3.9 92.075,9.275 92.075,14.275 93.725,15.925 95.225,17.425 99.875,17.425 118.525,17.425 119.175,16.775 120.35,15.6 131.125,15.6 138.525,15.6 139.25,16.325 179.65,16.475 179.675,15.375 179.675,-4.525 179.65,-4.55 69.195,-4.55
GND on Top Layer "pol_gnd" (hatched 90Degree grid 0.3 track 0.3, pour order 10): -4.5,59 -4.5,61 2,61 4,63 4,67.5 4,69.5 17.5,69.5 179.5,69.5 179.5,22.5 86.5,22.5 86.5,38 85,39.5 83.5,41 72,41 67,41 64,38.24 54.24,38.24 47,31 47,27.5 58,16.5 61.5,16.5 62.5,15.5 62.5,-4 -4.5,-4.5
GND_EXT on Bottom Layer "ext_gnd" (hatched 90Degree grid 0.3 track 0.3, pour order 2): 77.025,28.675 77.025,25.4 77.025,18.375 78.325,17.075 78.675,16.725 82.025,16.725 82.45,16.725 82.7,16.475 82.9,16.275 82.9,13.95 82.9,13.625 82.7,13.425 82.675,13.4 80.025,13.4 70.525,13.4 69.075,11.95 67.675,10.55 67.675,3.6 67.675,3.5 68.9,2.275 71.45,-0.275 87.775,-0.275 89.7,1.65 92.075,4.025 92.075,9.275 92.075,14.275 93.725,15.925 95.225,17.425 99.875,17.425 118.525,17.425 119.175,16.775 120.35,15.6 131.125,15.6 138.525,15.6 139.25,16.325 179.65,16.475 179.675,15.375 179.675,-4.525 179.65,-4.55 176.475,-4.55 65.625,-4.55 65.625,1.5 65.625,17.775 65.1,18.3 64.3,19.1 61.425,19.1 60.425,19.1 59.275,20.25 59.15,20.375 59.15,22 59.15,22.2 59.4,22.45 59.5,22.55 64.325,22.55 72.3,22.55 73.125,23.375 73.125,26.425 73.125,27.525 74.3,28.7
GND on Bottom Layer "pol_gnd" (hatched 90Degree grid 0.3 track 0.3, pour order 6): -4.5,59 -4.5,61 2,61 4,63 4,67.5 4,69.5 17.5,69.5 179.5,69.5 179.5,22.5 86.5,22.5 86.5,38 85,39.5 83.5,41 72,41 67,41 64,38.24 47.5,38.24 47.5,31.5 47.5,27 58,16.5 61.5,16.5 62.5,15.5 62.5,-4 -4.5,-4.5

## Other copper
Top Layer:
  pour cut-out: 64.675,-4.475 64.675,14.05 67.7,40.35 40.35,40.35 40.35,49.1 30.7,49.1 21.15,49.1 15.325,43.275 15.325,40.525 -6.65,40.525 -6.825,40.35 -6.825,-4.1 -5.2,-5.725 63.075,-5.725
  text "SM-MOTHB" at 175.475,46.95 h1.52 r90
  text "rev. 2" at 177.75,46.95 h1.52 r90
Bottom Layer:
  rectangle net GND: 24.412,60.6 30.2,66.144
  pour cut-out: 1.77,31.12 1.77,35.12 5.5,38.85 19.475,38.85 19.2,45.8 24.25,45.8 26.85,45.8 26.85,41.175 28.925,39.1 48.15,38.85 48.4,39.1 48.65,38.85 48.65,27.825 58.8,17.675 61.8,17.675 61.8,17.425 64.55,14.675 64.55,-6.225 64.2,-6.575 -4.65,-6.575 -6.125,-5.1 -6.125,31.1

## Silkscreen, mask and mechanical layers (free items; w line width, h text height)
Mechanical 3:
  the board outline again, w0.2
Mechanical 4:
  lines w0.2: 66.5,-5 66.5,27.5 180,27.5 180,-5 66.5,-5

## Text inside footprints (layer, text, board x,y; h text height)
P1: Top Overlay "14" at -0.3,33.205 h1.27 r90; Top Overlay "13" at 2.3,33.23 h1.27 r90; Top Overlay "2" at -0.6,12.77 h1.27 r90; Top Overlay "1" at 2.2,12.97 h1.27 r90
P2: Top Overlay "14" at 165.205,65.3 h1.27; Top Overlay "13" at 165.23,62.7 h1.27; Top Overlay "2" at 144.77,65.6 h1.27; Top Overlay "1" at 144.97,62.8 h1.27
P3: Top Overlay "14" at 131.205,65.3 h1.27; Top Overlay "13" at 131.23,62.7 h1.27; Top Overlay "2" at 110.77,65.6 h1.27; Top Overlay "1" at 110.97,62.8 h1.27